# Altium PCB [Ref] TEST002_Bd.PcbDoc (continued)
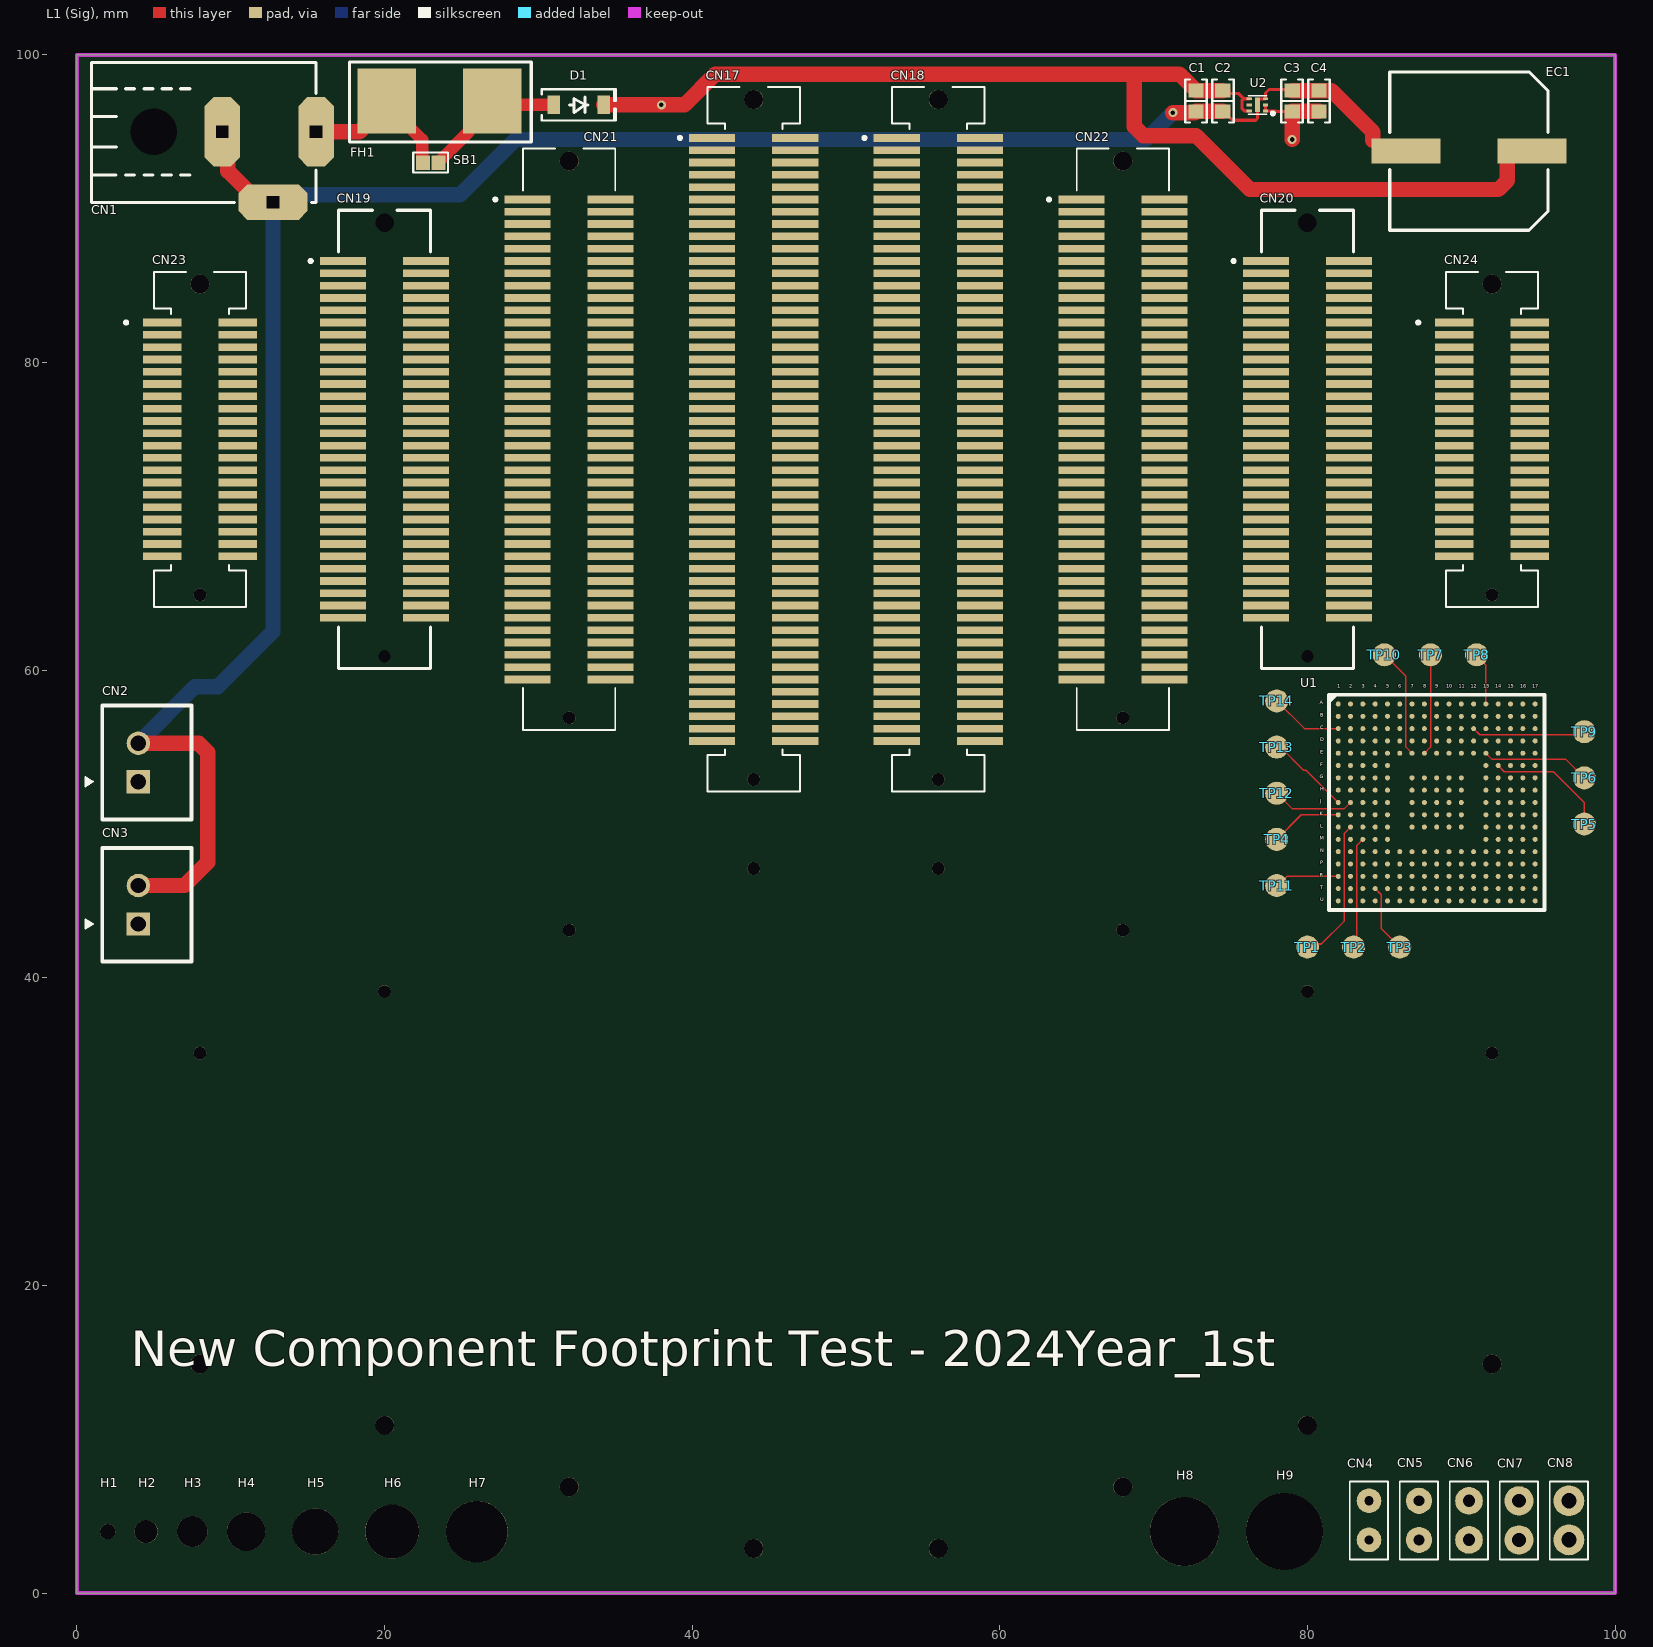
[diagram p0: L1 (Sig) view]
## Footprints (in the part's own frame and the unit in brackets; to place one, negate y for a bottom-side part, rotate by r counter-clockwise, add the part's x,y. Pads: shape width x height; smd on the part's side, far side on the other; paste and mask are expansions set on the pad)
"CAP 1608 (0603_INCH)" [mm] "Chip Capacitor, 2-Leads, Body 1.60x0.80mm, IPC Medium Density"
  rect 0.9x1 smd mask+0.04: 1(-0.675,0) 2(0.675,0)
  silkscreen extent -1.4,-0.7 1.4,0.7, body extent -0.8,-0.41 0.8,0.41, height 0.82
CAP_EC_D10.3MM_H10.5MM [mm]
  rect 4.5x1.6 smd: 1(-4.1,0) 2(4.1,0)
  silkscreen extent -5.15,-5.15 5.15,5.15, body extent -6,-5.15 6,5.15, height 10.5
CON_BergStak-Lite(0.8mm)_PLUG-40P(10144518-041802LF)_HandSolder [mm]
  rect 0.5x3 smd: 1(-7.6,2.7) 2(-7.6,-2.7) 3(-6.8,2.7) 4(-6.8,-2.7) 5(-6,2.7) 6(-6,-2.7) 7(-5.2,2.7) 8(-5.2,-2.7) 9(-4.4,2.7) 10(-4.4,-2.7) 11(-3.6,2.7) 12(-3.6,-2.7) 13(-2.8,2.7) 14(-2.8,-2.7) 15(-2,2.7) 16(-2,-2.7) 17(-1.2,2.7) 18(-1.2,-2.7) 19(-0.4,2.7) 20(-0.4,-2.7) 21(0.4,2.7) 22(0.4,-2.7) 23(1.2,2.7) 24(1.2,-2.7) 25(2,2.7) 26(2,-2.7) 27(2.8,2.7) 28(2.8,-2.7) 29(3.6,2.7) 30(3.6,-2.7) 31(4.4,2.7) 32(4.4,-2.7) 33(5.2,2.7) 34(5.2,-2.7) 35(6,2.7) 36(6,-2.7) 37(6.8,2.7) 38(6.8,-2.7) 39(7.6,2.7) 40(7.6,-2.7)
  round 0.83 hole 0.83 unplated: ""(-10.1,0)
  round 1.23 hole 1.23 unplated: ""(10.1,0)
  silkscreen extent -10.9,-3 10.9,4.9, body extent -10.9,-3 10.9,3, height 4.65
CON_BergStak-Lite(0.8mm)_PLUG-60P(10144518-061802LF)_HandSolder [mm]
  rect 0.5x3 smd: 1(-11.6,2.7) 2(-11.6,-2.7) 3(-10.8,2.7) 4(-10.8,-2.7) 5(-10,2.7) 6(-10,-2.7) 7(-9.2,2.7) 8(-9.2,-2.7) 9(-8.4,2.7) 10(-8.4,-2.7) 11(-7.6,2.7) 12(-7.6,-2.7) 13(-6.8,2.7) 14(-6.8,-2.7) 15(-6,2.7) 16(-6,-2.7) 17(-5.2,2.7) 18(-5.2,-2.7) 19(-4.4,2.7) 20(-4.4,-2.7) 21(-3.6,2.7) 22(-3.6,-2.7) 23(-2.8,2.7) 24(-2.8,-2.7) 25(-2,2.7) 26(-2,-2.7) 27(-1.2,2.7) 28(-1.2,-2.7) 29(-0.4,2.7) 30(-0.4,-2.7) 31(0.4,2.7) 32(0.4,-2.7) 33(1.2,2.7) 34(1.2,-2.7) 35(2,2.7) 36(2,-2.7) 37(2.8,2.7) 38(2.8,-2.7) 39(3.6,2.7) 40(3.6,-2.7) 41(4.4,2.7) 42(4.4,-2.7) 43(5.2,2.7) 44(5.2,-2.7) 45(6,2.7) 46(6,-2.7) 47(6.8,2.7) 48(6.8,-2.7) 49(7.6,2.7) 50(7.6,-2.7) 51(8.4,2.7) 52(8.4,-2.7) 53(9.2,2.7) 54(9.2,-2.7) 55(10,2.7) 56(10,-2.7) 57(10.8,2.7) 58(10.8,-2.7) 59(11.6,2.7) 60(11.6,-2.7)
  round 0.83 hole 0.83 unplated: ""(-14.1,0)
  round 1.23 hole 1.23 unplated: ""(14.1,0)
  silkscreen extent -14.9,-3 14.9,4.9, body extent -14.9,-3 14.9,3, height 4.65
CON_BergStak-Lite(0.8mm)_PLUG-80P(10144518-081802LF)_HandSolder [mm]
  rect 0.5x3 smd: 1(-15.6,2.7) 2(-15.6,-2.7) 3(-14.8,2.7) 4(-14.8,-2.7) 5(-14,2.7) 6(-14,-2.7) 7(-13.2,2.7) 8(-13.2,-2.7) 9(-12.4,2.7) 10(-12.4,-2.7) 11(-11.6,2.7) 12(-11.6,-2.7) 13(-10.8,2.7) 14(-10.8,-2.7) 15(-10,2.7) 16(-10,-2.7) 17(-9.2,2.7) 18(-9.2,-2.7) 19(-8.4,2.7) 20(-8.4,-2.7) 21(-7.6,2.7) 22(-7.6,-2.7) 23(-6.8,2.7) 24(-6.8,-2.7) 25(-6,2.7) 26(-6,-2.7) 27(-5.2,2.7) 28(-5.2,-2.7) 29(-4.4,2.7) 30(-4.4,-2.7) 31(-3.6,2.7) 32(-3.6,-2.7) 33(-2.8,2.7) 34(-2.8,-2.7) 35(-2,2.7) 36(-2,-2.7) 37(-1.2,2.7) 38(-1.2,-2.7) 39(-0.4,2.7) 40(-0.4,-2.7) 41(0.4,2.7) 42(0.4,-2.7) 43(1.2,2.7) 44(1.2,-2.7) 45(2,2.7) 46(2,-2.7) 47(2.8,2.7) 48(2.8,-2.7) 49(3.6,2.7) 50(3.6,-2.7) 51(4.4,2.7) 52(4.4,-2.7) 53(5.2,2.7) 54(5.2,-2.7) 55(6,2.7) 56(6,-2.7) 57(6.8,2.7) 58(6.8,-2.7) 59(7.6,2.7) 60(7.6,-2.7) 61(8.4,2.7) 62(8.4,-2.7) 63(9.2,2.7) 64(9.2,-2.7) 65(10,2.7) 66(10,-2.7) 67(10.8,2.7) 68(10.8,-2.7) 69(11.6,2.7) 70(11.6,-2.7) 71(12.4,2.7) 72(12.4,-2.7) 73(13.2,2.7) 74(13.2,-2.7) 75(14,2.7) 76(14,-2.7) 77(14.8,2.7) 78(14.8,-2.7) 79(15.6,2.7) 80(15.6,-2.7)
  round 0.83 hole 0.83 unplated: ""(-18.1,0)
  round 1.23 hole 1.23 unplated: ""(18.1,0)
  silkscreen extent -18.9,-3 18.9,4.9, body extent -18.9,-3 18.9,3, height 4.65
CON_BergStak-Lite(0.8mm)_PLUG-100P(10144518-101802LF)_HandSolder [mm]
  rect 0.5x3 smd: 1(-19.6,2.7) 2(-19.6,-2.7) 3(-18.8,2.7) 4(-18.8,-2.7) 5(-18,2.7) 6(-18,-2.7) 7(-17.2,2.7) 8(-17.2,-2.7) 9(-16.4,2.7) 10(-16.4,-2.7) 11(-15.6,2.7) 12(-15.6,-2.7) 13(-14.8,2.7) 14(-14.8,-2.7) 15(-14,2.7) 16(-14,-2.7) 17(-13.2,2.7) 18(-13.2,-2.7) 19(-12.4,2.7) 20(-12.4,-2.7) 21(-11.6,2.7) 22(-11.6,-2.7) 23(-10.8,2.7) 24(-10.8,-2.7) 25(-10,2.7) 26(-10,-2.7) 27(-9.2,2.7) 28(-9.2,-2.7) 29(-8.4,2.7) 30(-8.4,-2.7) 31(-7.6,2.7) 32(-7.6,-2.7) 33(-6.8,2.7) 34(-6.8,-2.7) 35(-6,2.7) 36(-6,-2.7) 37(-5.2,2.7) 38(-5.2,-2.7) 39(-4.4,2.7) 40(-4.4,-2.7) 41(-3.6,2.7) 42(-3.6,-2.7) 43(-2.8,2.7) 44(-2.8,-2.7) 45(-2,2.7) 46(-2,-2.7) 47(-1.2,2.7) 48(-1.2,-2.7) 49(-0.4,2.7) 50(-0.4,-2.7) 51(0.4,2.7) 52(0.4,-2.7) 53(1.2,2.7) 54(1.2,-2.7) 55(2,2.7) 56(2,-2.7) 57(2.8,2.7) 58(2.8,-2.7) 59(3.6,2.7) 60(3.6,-2.7) 61(4.4,2.7) 62(4.4,-2.7) 63(5.2,2.7) 64(5.2,-2.7) 65(6,2.7) 66(6,-2.7) 67(6.8,2.7) 68(6.8,-2.7) 69(7.6,2.7) 70(7.6,-2.7) 71(8.4,2.7) 72(8.4,-2.7) 73(9.2,2.7) 74(9.2,-2.7) 75(10,2.7) 76(10,-2.7) 77(10.8,2.7) 78(10.8,-2.7) 79(11.6,2.7) 80(11.6,-2.7) 81(12.4,2.7) 82(12.4,-2.7) 83(13.2,2.7) 84(13.2,-2.7) 85(14,2.7) 86(14,-2.7) 87(14.8,2.7) 88(14.8,-2.7) 89(15.6,2.7) 90(15.6,-2.7) 91(16.4,2.7) 92(16.4,-2.7) 93(17.2,2.7) 94(17.2,-2.7) 95(18,2.7) 96(18,-2.7) 97(18.8,2.7) 98(18.8,-2.7) 99(19.6,2.7) 100(19.6,-2.7)
  round 0.83 hole 0.83 unplated: ""(-22.1,0)
  round 1.23 hole 1.23 unplated: ""(22.1,0)
  silkscreen extent -22.9,-3 22.9,4.9, body extent -22.9,-3 22.9,3, height 4.65
CON_BergStak-Lite(0.8mm)_RCPT-40P(10144517-041802LF)_HandSolder [mm]
  rect 0.5x2.5 smd: 1(7.6,2.45) 2(7.6,-2.45) 3(6.8,2.45) 4(6.8,-2.45) 5(6,2.45) 6(6,-2.45) 7(5.2,2.45) 8(5.2,-2.45) 9(4.4,2.45) 10(4.4,-2.45) 11(3.6,2.45) 12(3.6,-2.45) 13(2.8,2.45) 14(2.8,-2.45) 15(2,2.45) 16(2,-2.45) 17(1.2,2.45) 18(1.2,-2.45) 19(0.4,2.45) 20(0.4,-2.45) 21(-0.4,2.45) 22(-0.4,-2.45) 23(-1.2,2.45) 24(-1.2,-2.45) 25(-2,2.45) 26(-2,-2.45) 27(-2.8,2.45) 28(-2.8,-2.45) 29(-3.6,2.45) 30(-3.6,-2.45) 31(-4.4,2.45) 32(-4.4,-2.45) 33(-5.2,2.45) 34(-5.2,-2.45) 35(-6,2.45) 36(-6,-2.45) 37(-6.8,2.45) 38(-6.8,-2.45) 39(-7.6,2.45) 40(-7.6,-2.45)
  round 0.83 hole 0.83 unplated: ""(-10.1,0)
  round 1.23 hole 1.23 unplated: ""(10.1,0)
  silkscreen extent -10.9,-3 10.9,4.9, body extent -10.9,-3 10.9,3, height 3.65
CON_BergStak-Lite(0.8mm)_RCPT-60P(10144517-061802LF)_HandSolder [mm]
  rect 0.5x3 smd: 1(11.6,2.7) 2(11.6,-2.7) 3(10.8,2.7) 4(10.8,-2.7) 5(10,2.7) 6(10,-2.7) 7(9.2,2.7) 8(9.2,-2.7) 9(8.4,2.7) 10(8.4,-2.7) 11(7.6,2.7) 12(7.6,-2.7) 13(6.8,2.7) 14(6.8,-2.7) 15(6,2.7) 16(6,-2.7) 17(5.2,2.7) 18(5.2,-2.7) 19(4.4,2.7) 20(4.4,-2.7) 21(3.6,2.7) 22(3.6,-2.7) 23(2.8,2.7) 24(2.8,-2.7) 25(2,2.7) 26(2,-2.7) 27(1.2,2.7) 28(1.2,-2.7) 29(0.4,2.7) 30(0.4,-2.7) 31(-0.4,2.7) 32(-0.4,-2.7) 33(-1.2,2.7) 34(-1.2,-2.7) 35(-2,2.7) 36(-2,-2.7) 37(-2.8,2.7) 38(-2.8,-2.7) 39(-3.6,2.7) 40(-3.6,-2.7) 41(-4.4,2.7) 42(-4.4,-2.7) 43(-5.2,2.7) 44(-5.2,-2.7) 45(-6,2.7) 46(-6,-2.7) 47(-6.8,2.7) 48(-6.8,-2.7) 49(-7.6,2.7) 50(-7.6,-2.7) 51(-8.4,2.7) 52(-8.4,-2.7) 53(-9.2,2.7) 54(-9.2,-2.7) 55(-10,2.7) 56(-10,-2.7) 57(-10.8,2.7) 58(-10.8,-2.7) 59(-11.6,2.7) 60(-11.6,-2.7)
  round 0.4 hole 0.8 unplated: ""(-14.1,0)
  round 0.6 hole 1.2 unplated: ""(14.1,0)
  silkscreen extent -14.9,-3 14.9,4.9, body extent -14.9,-3 14.9,3, height 3.65
CON_BergStak-Lite(0.8mm)_RCPT-80P(10144517-081802LF)_HandSolder [mm]
  rect 0.5x3 smd: 1(15.6,2.7) 2(15.6,-2.7) 3(14.8,2.7) 4(14.8,-2.7) 5(14,2.7) 6(14,-2.7) 7(13.2,2.7) 8(13.2,-2.7) 9(12.4,2.7) 10(12.4,-2.7) 11(11.6,2.7) 12(11.6,-2.7) 13(10.8,2.7) 14(10.8,-2.7) 15(10,2.7) 16(10,-2.7) 17(9.2,2.7) 18(9.2,-2.7) 19(8.4,2.7) 20(8.4,-2.7) 21(7.6,2.7) 22(7.6,-2.7) 23(6.8,2.7) 24(6.8,-2.7) 25(6,2.7) 26(6,-2.7) 27(5.2,2.7) 28(5.2,-2.7) 29(4.4,2.7) 30(4.4,-2.7) 31(3.6,2.7) 32(3.6,-2.7) 33(2.8,2.7) 34(2.8,-2.7) 35(2,2.7) 36(2,-2.7) 37(1.2,2.7) 38(1.2,-2.7) 39(0.4,2.7) 40(0.4,-2.7) 41(-0.4,2.7) 42(-0.4,-2.7) 43(-1.2,2.7) 44(-1.2,-2.7) 45(-2,2.7) 46(-2,-2.7) 47(-2.8,2.7) 48(-2.8,-2.7) 49(-3.6,2.7) 50(-3.6,-2.7) 51(-4.4,2.7) 52(-4.4,-2.7) 53(-5.2,2.7) 54(-5.2,-2.7) 55(-6,2.7) 56(-6,-2.7) 57(-6.8,2.7) 58(-6.8,-2.7) 59(-7.6,2.7) 60(-7.6,-2.7) 61(-8.4,2.7) 62(-8.4,-2.7) 63(-9.2,2.7) 64(-9.2,-2.7) 65(-10,2.7) 66(-10,-2.7) 67(-10.8,2.7) 68(-10.8,-2.7) 69(-11.6,2.7) 70(-11.6,-2.7) 71(-12.4,2.7) 72(-12.4,-2.7) 73(-13.2,2.7) 74(-13.2,-2.7) 75(-14,2.7) 76(-14,-2.7) 77(-14.8,2.7) 78(-14.8,-2.7) 79(-15.6,2.7) 80(-15.6,-2.7)
  round 0.83 hole 0.83 unplated: ""(-18.1,0)
  round 1.23 hole 1.23 unplated: ""(18.1,0)
  silkscreen extent -18.9,-3 18.9,4.9, body extent -18.9,-3 18.9,3, height 3.65
CON_BergStak-Lite(0.8mm)_RCPT-100P(10144517-101802LF)_HandSolder [mm]
  rect 0.5x3 smd: 1(19.6,2.7) 2(19.6,-2.7) 3(18.8,2.7) 4(18.8,-2.7) 5(18,2.7) 6(18,-2.7) 7(17.2,2.7) 8(17.2,-2.7) 9(16.4,2.7) 10(16.4,-2.7) 11(15.6,2.7) 12(15.6,-2.7) 13(14.8,2.7) 14(14.8,-2.7) 15(14,2.7) 16(14,-2.7) 17(13.2,2.7) 18(13.2,-2.7) 19(12.4,2.7) 20(12.4,-2.7) 21(11.6,2.7) 22(11.6,-2.7) 23(10.8,2.7) 24(10.8,-2.7) 25(10,2.7) 26(10,-2.7) 27(9.2,2.7) 28(9.2,-2.7) 29(8.4,2.7) 30(8.4,-2.7) 31(7.6,2.7) 32(7.6,-2.7) 33(6.8,2.7) 34(6.8,-2.7) 35(6,2.7) 36(6,-2.7) 37(5.2,2.7) 38(5.2,-2.7) 39(4.4,2.7) 40(4.4,-2.7) 41(3.6,2.7) 42(3.6,-2.7) 43(2.8,2.7) 44(2.8,-2.7) 45(2,2.7) 46(2,-2.7) 47(1.2,2.7) 48(1.2,-2.7) 49(0.4,2.7) 50(0.4,-2.7) 51(-0.4,2.7) 52(-0.4,-2.7) 53(-1.2,2.7) 54(-1.2,-2.7) 55(-2,2.7) 56(-2,-2.7) 57(-2.8,2.7) 58(-2.8,-2.7) 59(-3.6,2.7) 60(-3.6,-2.7) 61(-4.4,2.7) 62(-4.4,-2.7) 63(-5.2,2.7) 64(-5.2,-2.7) 65(-6,2.7) 66(-6,-2.7) 67(-6.8,2.7) 68(-6.8,-2.7) 69(-7.6,2.7) 70(-7.6,-2.7) 71(-8.4,2.7) 72(-8.4,-2.7) 73(-9.2,2.7) 74(-9.2,-2.7) 75(-10,2.7) 76(-10,-2.7) 77(-10.8,2.7) 78(-10.8,-2.7) 79(-11.6,2.7) 80(-11.6,-2.7) 81(-12.4,2.7) 82(-12.4,-2.7) 83(-13.2,2.7) 84(-13.2,-2.7) 85(-14,2.7) 86(-14,-2.7) 87(-14.8,2.7) 88(-14.8,-2.7) 89(-15.6,2.7) 90(-15.6,-2.7) 91(-16.4,2.7) 92(-16.4,-2.7) 93(-17.2,2.7) 94(-17.2,-2.7) 95(-18,2.7) 96(-18,-2.7) 97(-18.8,2.7) 98(-18.8,-2.7) 99(-19.6,2.7) 100(-19.6,-2.7)
  round 0.83 hole 0.83 unplated: ""(-22.1,0)
  round 1.23 hole 1.23 unplated: ""(22.1,0)
  silkscreen extent -22.9,-3 22.9,4.9, body extent -22.9,-3 22.9,3, height 3.65
CON_SMW250-02 [mm] "YEONHO 2.5mm Pitch Vertical Connector 2Pin"
  rect 1.524x1.524 hole 1: 1(1.25,0)
  round 1.524 hole 1: 2(-1.25,0)
  silkscreen extent -3.7,-3.45 3.7,3.45, body extent -3.7,-2.85 3.7,3.45, height 7
DIO_SOD-123 [mm]
  rect 0.8x1.2 smd mask+0.038: 1(-1.62,0) 2(1.62,0)
  silkscreen extent -2.41,-1.02 2.41,1.02, body extent -1.75,-0.8 1.75,0.8, height 1.1
DUT_CON_DC-JACK [mm]
  round 0 hole 3: 0(4.6,10.55)
  oct 4.5x2.3 hole 0.8 square: 1(4.6,0) 3(4.6,6.1)
  oct 2.3x4.5 hole 0.8 square: 2(0.025,2.8)
  silkscreen extent 0,0 9.1,14.6, body extent -0.25,-0.6 9.15,14.6, height 11.02
DUT_CON_PIN_HEADER-2PIN(2.54MM)_0.6PI [mm] "Pin Header 2P 2.54mm"
  round 1.6 hole 0.6: 1(0,0) 2(2.54,0)
  silkscreen extent -1.27,-1.25 3.81,1.25, body extent -1.27,-1.27 3.81,1.27, height 8.57
DUT_CON_PIN_HEADER-2PIN(2.54MM)_0.7PI [mm] "Pin Header 2P 2.54mm"
  round 1.7 hole 0.7: 1(0,0) 2(2.54,0)
  silkscreen extent -1.27,-1.25 3.81,1.25, body extent -1.27,-1.27 3.81,1.27, height 8.57
DUT_CON_PIN_HEADER-2PIN(2.54MM)_0.8PI [mm] "Pin Header 2P 2.54mm"
  round 1.8 hole 0.8: 1(0,0) 2(2.54,0)
  silkscreen extent -1.27,-1.25 3.81,1.25, body extent -1.27,-1.27 3.81,1.27, height 8.57
DUT_CON_PIN_HEADER-2PIN(2.54MM)_0.9PI [mm] "Pin Header 2P 2.54mm"
  round 1.9 hole 0.9: 1(0,0) 2(2.54,0)
  silkscreen extent -1.27,-1.25 3.81,1.25, body extent -1.27,-1.27 3.81,1.27, height 8.57
DUT_CON_PIN_HEADER-2PIN(2.54MM)_1.0PI [mm] "Pin Header 2P 2.54mm"
  round 2 hole 1: 1(0,0) 2(2.54,0)
  silkscreen extent -1.27,-1.25 3.81,1.25, body extent -1.27,-1.27 3.81,1.27, height 8.57
DUT_HOLE_NTH-1.0MM [mm]
  round 1 hole 1: 1(0,0)
DUT_HOLE_NTH-1.5MM [mm]
  round 1.5 hole 1.5: 1(0,0)
DUT_HOLE_NTH-2.0MM [mm]
  round 2 hole 2: 1(0,0)
DUT_HOLE_NTH-2.5MM [mm]
  round 2.5 hole 2.5: 1(0,0)
DUT_HOLE_NTH-3.0MM [mm]
  round 3 hole 3: 1(0,0)
DUT_HOLE_NTH-3.5MM [mm]
  round 3.5 hole 3.5: 1(0,0)
DUT_HOLE_NTH-4.0MM [mm]
  round 4 hole 4: 1(0,0)
DUT_HOLE_NTH-4.5MM [mm]
  round 4.5 hole 4.5: 1(0,0)
DUT_HOLE_NTH-5.0MM [mm]
  round 5 hole 5: 1(0,0)
DUT_SB_Solder-Bridge [mm] "SB (Solder-Bridge)"
  rect 0.9x0.95 smd mask+0.038: 1(-0.5,0) 2(0.5,0)
  silkscreen extent -1.12,-0.65 1.12,0.65
"FUSE 01550900M_SMD" [mm] "Fuse Holder"
  rect 3.81x4.24 smd: 1(0,0) 2(6.858,0)
  silkscreen extent -2.41,-2.67 9.4,2.54, body extent -1.42,-2.54 8.28,2.46, height 3.74
"IC TFBGA-265" [mm] "TFBGA-265_14x14mm"
  round 0.325 smd mask+0.1: A1(-6.4,6.4) A2(-5.6,6.4) A3(-4.8,6.4) A4(-4,6.4) A5(-3.2,6.4) A6(-2.4,6.4) A7(-1.6,6.4) A8(-0.8,6.4) A9(0,6.4) A10(0.8,6.4) A11(1.6,6.4) A12(2.4,6.4) A13(3.2,6.4) A14(4,6.4) A15(4.8,6.4) A16(5.6,6.4) A17(6.4,6.4) B1(-6.4,5.6) B2(-5.6,5.6) B3(-4.8,5.6) B4(-4,5.6) B5(-3.2,5.6) B6(-2.4,5.6) B7(-1.6,5.6) B8(-0.8,5.6) B9(0,5.6) B10(0.8,5.6) B11(1.6,5.6) B12(2.4,5.6) B13(3.2,5.6) B14(4,5.6) B15(4.8,5.6) B16(5.6,5.6) B17(6.4,5.6) C1(-6.4,4.8) C2(-5.6,4.8) C3(-4.8,4.8) C4(-4,4.8) C5(-3.2,4.8) C6(-2.4,4.8) C7(-1.6,4.8) C8(-0.8,4.8) C9(0,4.8) C10(0.8,4.8) C11(1.6,4.8) C12(2.4,4.8) C13(3.2,4.8) C14(4,4.8) C15(4.8,4.8) C16(5.6,4.8) C17(6.4,4.8) D1(-6.4,4) D2(-5.6,4) D3(-4.8,4) D4(-4,4) D5(-3.2,4) D6(-2.4,4) D7(-1.6,4) D8(-0.8,4) D9(0,4) D10(0.8,4) D11(1.6,4) D12(2.4,4) D13(3.2,4) D14(4,4) D15(4.8,4) D16(5.6,4) D17(6.4,4) E1(-6.4,3.2) E2(-5.6,3.2) E3(-4.8,3.2) E4(-4,3.2) E5(-3.2,3.2) E6(-2.4,3.2) E7(-1.6,3.2) E8(-0.8,3.2) E9(0,3.2) E10(0.8,3.2) E11(1.6,3.2) E12(2.4,3.2) E13(3.2,3.2) E14(4,3.2) E15(4.8,3.2) E16(5.6,3.2) E17(6.4,3.2) F1(-6.4,2.4) F2(-5.6,2.4) F3(-4.8,2.4) F4(-4,2.4) F5(-3.2,2.4) F13(3.2,2.4) F14(4,2.4) F15(4.8,2.4) F16(5.6,2.4) F17(6.4,2.4) G1(-6.4,1.6) G2(-5.6,1.6) G3(-4.8,1.6) G4(-4,1.6) G5(-3.2,1.6) G7(-1.6,1.6) G8(-0.8,1.6) G9(0,1.6) G10(0.8,1.6) G11(1.6,1.6) G13(3.2,1.6) G14(4,1.6) G15(4.8,1.6) G16(5.6,1.6) G17(6.4,1.6) H1(-6.4,0.8) H2(-5.6,0.8) H3(-4.8,0.8) H4(-4,0.8) H5(-3.2,0.8) H7(-1.6,0.8) H8(-0.8,0.8) H9(0,0.8) H10(0.8,0.8) H11(1.6,0.8) H13(3.2,0.8) H14(4,0.8) H15(4.8,0.8) H16(5.6,0.8) H17(6.4,0.8) J1(-6.4,0) J2(-5.6,0) J3(-4.8,0) J4(-4,0) J5(-3.2,0) J7(-1.6,0) J8(-0.8,0) J9(0,0) J10(0.8,0) J11(1.6,0) J13(3.2,0) J14(4,0) J15(4.8,0) J16(5.6,0) J17(6.4,0) K1(-6.4,-0.8) K2(-5.6,-0.8) K3(-4.8,-0.8) K4(-4,-0.8) K5(-3.2,-0.8) K7(-1.6,-0.8) K8(-0.8,-0.8) K9(0,-0.8) K10(0.8,-0.8) K11(1.6,-0.8) K13(3.2,-0.8) K14(4,-0.8) K15(4.8,-0.8) K16(5.6,-0.8) K17(6.4,-0.8) L1(-6.4,-1.6) L2(-5.6,-1.6) L3(-4.8,-1.6) L4(-4,-1.6) L5(-3.2,-1.6) L7(-1.6,-1.6) L8(-0.8,-1.6) L9(0,-1.6) L10(0.8,-1.6) L11(1.6,-1.6) L13(3.2,-1.6) L14(4,-1.6) L15(4.8,-1.6) L16(5.6,-1.6) L17(6.4,-1.6) M1(-6.4,-2.4) M2(-5.6,-2.4) M3(-4.8,-2.4) M4(-4,-2.4) M5(-3.2,-2.4) M13(3.2,-2.4) M14(4,-2.4) M15(4.8,-2.4) M16(5.6,-2.4) M17(6.4,-2.4) N1(-6.4,-3.2) N2(-5.6,-3.2) N3(-4.8,-3.2) N4(-4,-3.2) N5(-3.2,-3.2) N6(-2.4,-3.2) N7(-1.6,-3.2) N8(-0.8,-3.2) N9(0,-3.2) N10(0.8,-3.2) N11(1.6,-3.2) N12(2.4,-3.2) N13(3.2,-3.2) N14(4,-3.2) N15(4.8,-3.2) N16(5.6,-3.2) N17(6.4,-3.2) P1(-6.4,-4) P2(-5.6,-4) P3(-4.8,-4) P4(-4,-4) P5(-3.2,-4) P6(-2.4,-4) P7(-1.6,-4) P8(-0.8,-4) P9(0,-4) P10(0.8,-4) P11(1.6,-4) P12(2.4,-4) P13(3.2,-4) P14(4,-4) P15(4.8,-4) P16(5.6,-4) P17(6.4,-4) R1(-6.4,-4.8) R2(-5.6,-4.8) R3(-4.8,-4.8) R4(-4,-4.8) R5(-3.2,-4.8) R6(-2.4,-4.8) R7(-1.6,-4.8) R8(-0.8,-4.8) R9(0,-4.8) R10(0.8,-4.8) R11(1.6,-4.8) R12(2.4,-4.8) R13(3.2,-4.8) R14(4,-4.8) R15(4.8,-4.8) R16(5.6,-4.8) R17(6.4,-4.8) T1(-6.4,-5.6) T2(-5.6,-5.6) T3(-4.8,-5.6) T4(-4,-5.6) T5(-3.2,-5.6) T6(-2.4,-5.6) T7(-1.6,-5.6) T8(-0.8,-5.6) T9(0,-5.6) T10(0.8,-5.6) T11(1.6,-5.6) T12(2.4,-5.6) T13(3.2,-5.6) T14(4,-5.6) T15(4.8,-5.6) T16(5.6,-5.6) T17(6.4,-5.6) U1(-6.4,-6.4) U2(-5.6,-6.4) U3(-4.8,-6.4) U4(-4,-6.4) U5(-3.2,-6.4) U6(-2.4,-6.4) U7(-1.6,-6.4) U8(-0.8,-6.4) U9(0,-6.4) U10(0.8,-6.4) U11(1.6,-6.4) U12(2.4,-6.4) U13(3.2,-6.4) U14(4,-6.4) U15(4.8,-6.4) U16(5.6,-6.4) U17(6.4,-6.4)
  silkscreen extent -7,-7 7,7, body extent -7,-7 7,7, height 1.1
IC_TDFN-6 [mm]
  rect 0.35x0.18 smd paste+0 mask+0.038: 1(-0.525,0.4) 2(-0.525,0) 3(-0.525,-0.4) 4(0.525,-0.4) 5(0.525,0) 6(0.525,0.4)
  rect 0.3x0.94 smd paste+0 mask+0.038: 7(0,0)
  silkscreen extent -1.05,-0.6 0.6,0.6, body extent -0.6,-0.6 0.6,0.6, height 0.57
"TP Circle" [mm] "Test Point Circle"
  round 1.5 smd: 1(0,0)

## Part data
C1 C4: library part CAP_10uF/10V/1608, "Ceramic CAP_10uF/10V/1608", JLCPCB Part Type="Basic Part", LCSC Part #=C19702
C2 C3: library part CAP_100nF/50V/1608, "Ceramic CAP_100nF/50V/1608", JLCPCB Part Type="Basic Part", LCSC Part #=C14663
CN1: library part DUT_CON_DC-Jack, "DC Power Jack", ComponentLink1Description="Manufacturer Link", ComponentLink1URL=http://www.cliffuk.co.uk/
CN2 CN3: library part CON_SMW250-02, "YEONHO 2.5mm Pitch Vertical Connector 2Pin"
CN4: library part DUT_PIN-HEADER_2.54MM_2P(0.6PI)
CN5: library part DUT_PIN-HEADER_2.54MM_2P(0.7PI)
CN6: library part DUT_PIN-HEADER_2.54MM_2P(0.8PI)
CN7: library part DUT_PIN-HEADER_2.54MM_2P(0.9PI)
CN8: library part DUT_PIN-HEADER_2.54MM_2P(1.0PI)
CN9 CN10: library part CON_BergStak-Lite(0.8mm)_PLUG-100P(10144518-101802LF), JLCPCB Part Type="Extended Part", LCSC Part #=C3640067
CN11 CN12: library part CON_BergStak-Lite(0.8mm)_PLUG-60P(10144518-061802LF), JLCPCB Part Type="Extended Part", LCSC Part #=C9900003007
CN13 CN14: library part CON_BergStak-Lite(0.8mm)_PLUG-40P(10144518-041802LF), JLCPCB Part Type="Extended Part", LCSC Part #=C5410298
CN15 CN16: library part CON_BergStak-Lite(0.8mm)_PLUG-80P(10144518-081802LF), JLCPCB Part Type="Extended Part", LCSC Part #=C2889278
CN17 CN18: library part CON_BergStak-Lite(0.8mm)_RCPT-100P(10144517-101802LF), JLCPCB Part Type="Extended Part", LCSC Part #=C3648562
CN19 CN20: library part CON_BergStak-Lite(0.8mm)_RCPT-60P(10144517-061802LF), JLCPCB Part Type="Extended Part", LCSC Part #=C2926919
CN21 CN22: library part CON_BergStak-Lite(0.8mm)_RCPT-80P(10144517-081802LF), JLCPCB Part Type="Extended Part", LCSC Part #=None
CN23 CN24: library part CON_BergStak-Lite(0.8mm)_RCPT-40P(10144517-041802LF), JLCPCB Part Type="Extended Part", LCSC Part #=C3645392
D1: library part DIO_B5819W, "40V 600mV@1A 1A SOD-123  Schottky Barrier Diodes (SBD) ROHS", JLCPCB Part Type="Basic Part", LCSC Part #=C8598
EC1: library part "CAP_EC 330uF/35V/10Øx10", "Electrolytic CAP_330uF/35V/10Øx10", JLCPCB Part Type="Extended Part", LCSC Part #=C311621
FH1: library part FUSE_01550900M-SMD, "Fuse Block 10A 125V 1 Circuit Cartridge Surface Mount", JLCPCB Part Type="Extended Part", LCSC Part #=C108518
H1: library part DUT_HOLE_NTH-1.0MM, "Non-Through Hole 1mm"
H2: library part DUT_HOLE_NTH-1.5MM, "Non-Through Hole 1.5mm"
H3: library part DUT_HOLE_NTH-2.0MM, "Non-Through Hole 2mm"
H4: library part DUT_HOLE_NTH-2.5MM, "Non-Through Hole 2.5mm"
H5: library part DUT_HOLE_NTH-3.0MM, "Non-Through Hole 3mm"
H6: library part DUT_HOLE_NTH-3.5MM, "Non-Through Hole 3.5mm"
H7: library part DUT_HOLE_NTH-4.0MM, "Non-Through Hole 4mm"
H8: library part DUT_HOLE_NTH-4.5MM, "Non-Through Hole 4.5mm"
H9: library part DUT_HOLE_NTH-5.0MM, "Non-Through Hole 5mm"
SB1: library part DUT_SB_Solder-Bridge, "SB_Solder-Bridge"
U1: library part IC_MCU_STM32H743XIH6, "ARM® Cortex®-M7 STM32H7 MCU IC 32bit Single-core 480MHz 2MB(2M x 8) Flash 240+25-TFBGA(14x14)", JLCPCB Part Type="Extended Part", LCSC Part #=C114407
U2: library part IC_REG_MIC5528-3.3YMT-TR, "Linear Voltage Regulator IC Positive Fixed 1 Output 500mA 6-TDFN (1.2x1.2)", JLCPCB Part Type="Extended Part", LCSC Part #=C622490

## Via types
v1: diameter 0.6, hole 0.3, L1 (Sig) to L4 (Sig), tented both sides, 3 vias

## Nets (pads, with @x,y where several pads share a name; then routed paths per layer and width w, separated by ;. In a path a pad name is that pad's centre, name@x,y a point inside that pad or via, vN(x,y) a via of type N, cw(c..) or ccw(c..) an arc to the next point about the centre after c; other vN are vias at no path point)
DGND: C1.1 C2.1 C3.1 C4.1 CN1.2 CN1.3 CN2.2 CN3.2 EC1.2 U2.3 U2.7 | length 143.2
  L1 (Sig) w0.2: C1.1@72.675,96.25 C1.1 ; C2.1 74.55,96.325 75.125,95.75 76.633,95.75 76.75,95.867 U2.7 76.75,97.07 76.8,97.12 77.18,97.12 77.21,97.15 U2.3 77.275,97.525 77.5,97.75 78.925,97.75 C3.1 ; EC1.2@84.25,94.45 84.95,93.75 EC1.2
  L1 (Sig) w1: CN3.2 7,46 8.5,47.5 8.5,54.664 7.914,55.25 CN2.2 ; CN1.3 9.818,94.632 9.818,92.44 11.832,90.425 CN1.2 ; v1(71.25,96.25) C1.1@72.675,96.25 ; C1.1 C2.1 ; C3.1 C4.1 81.55,97.675 84.25,94.975 EC1.2@84.25,94.45
  L4 (Sig) w1: CN2.2 7.675,58.925 9.175,58.925 12.75,62.5 CN1.2 13.225,90.9 24.9,90.9 28.5,94.5 69.5,94.5 v1(71.25,96.25)
DP3.3VS: C3.2 C4.2 CN3.1 U2.1 U2.2 | length 126.5
  L1 (Sig) w0.2: U2.2 U2.1 77.957,96.35 77.983,96.325 C3.2
  L1 (Sig) w1: v1(79,94.5) C3.2 C4.2
  L3 (PWR) w1: CN3.1 17.631,43.5 24.131,50 72.574,50 73.5,50.926 73.5,93 75,94.5 v1(79,94.5)
DP5VS: C1.2 C2.2 CN2.1 D1.2 EC1.1 U2.4 U2.6 | length 153.9
  L1 (Sig) w0.2: C2.2 74.675,97.5 75.5,97.5 75.85,97.15 ; U2.6 76.215,96.36 75.89,96.36 75.75,96.5 75.75,97.05 75.85,97.15 ; U2.4 75.85,97.15
  L1 (Sig) w1: D1.2 v1(38,96.75) 39.5,96.75 41.5,98.75 68.75,98.75 ; C2.2 C1.2 71.675,98.75 68.75,98.75 ; EC1.1 93.3,93.75 93,93.45 93,91.836 92.414,91.25 76.25,91.25 72.75,94.75 69.336,94.75 68.75,95.336 68.75,98.75
  L3 (PWR) w1: CN2.1 35,52.75 38,55.75 v1(38,96.75)
NetCN1_1: CN1.1 FH1.1 SB1.1 | length 10.3
  L1 (Sig) w0.8: FH1.1 20.142,96.785 22.45,94.477 22.45,93.05 SB1.1
  L1 (Sig) w1: CN1.1 18.357,95 FH1.1@20.142,96.785
NetD1_1: D1.1 FH1.2 SB1.2 | length 9.2
  L1 (Sig) w0.8: SB1.2 23.5,93.025 25.495,95.02 25.495,95.28 26.965,96.75 D1.1
NetTP1_1: TP1.1 U1.L2 | length 9.4
  L1 (Sig) w0.1: TP1.1 80.2,42.2 80.9,42.2 82.4,43.7 82.4,49.4 U1.L2
NetTP2_1: TP2.1 U1.M3 | length 7.2
  L1 (Sig) w0.1: TP2.1 83.2,42.2 83.2,48.6 U1.M3
NetTP3_1: TP3.1 U1.T4 | length 4.5
  L1 (Sig) w0.1: U1.T4 84.8,45.4 84.8,43.2 TP3.1
NetTP4_1: TP4.1 U1.K1 | length 4.7
  L1 (Sig) w0.1: TP4.1 79.6,50.6 U1.K1
NetTP5_1: TP5.1 U1.F14 | length 8
  L1 (Sig) w0.1: U1.F14 92.8,53.4 96,53.4 98,51.4 TP5.1
NetTP6_1: TP6.1 U1.E13 | length 7.1
  L1 (Sig) w0.1: U1.E13 92,54.2 96.8,54.2 TP6.1
NetTP7_1: TP7.1 U1.E8 | length 6.6
  L1 (Sig) w0.1: U1.E8 88,55 TP7.1
NetTP8_1: TP8.1 U1.A13 | length 3.4
  L1 (Sig) w0.1: TP8.1 91,60.927 91.6,60.327 U1.A13
NetTP9_1: TP9.1 U1.C12 | length 7.4
  L1 (Sig) w0.1: U1.C12 91.2,55.8 97.8,55.8 TP9.1
NetTP10_1: TP10.1 U1.E7 | length 7.1
  L1 (Sig) w0.1: TP10.1 86.4,59.6 86.4,55 U1.E7
NetTP11_1: TP11.1 U1.R1 | length 4.2
  L1 (Sig) w0.1: TP11.1 78.073,46 78.673,46.6 U1.R1
NetTP12_1: TP12.1 U1.J2 | length 5.4
  L1 (Sig) w0.1: TP12.1 79,51 82.4,51 U1.J2
NetTP13_1: TP13.1 U1.J1 | length 5.5
  L1 (Sig) w0.1: TP13.1 78.25,55 79.75,53.5 79.9,53.5 U1.J1
NetTP14_1: TP14.1 U1.C1 | length 4.7
  L1 (Sig) w0.1: TP14.1 79.8,56.2 U1.C1
pads on no net: CN1.0 CN4.1 CN4.2 CN5.1 CN5.2 CN6.1 CN6.2 CN7.1 CN7.2 CN8.1 CN8.2 CN9. CN9.1 CN9.2 CN9.3 CN9.4 CN9.5 CN9.6 CN9.7 CN9.8 CN9.9 CN9.10 CN9.11 CN9.12 CN9.13 CN9.14 CN9.15 CN9.16 CN9.17 CN9.18 CN9.19 CN9.20 CN9.21 CN9.22 CN9.23 CN9.24 CN9.25 CN9.26 CN9.27 CN9.28 CN9.29 CN9.30 CN9.31 CN9.32 CN9.33 CN9.34 CN9.35 CN9.36 CN9.37 CN9.38 CN9.39 CN9.40 CN9.41 CN9.42 CN9.43 CN9.44 CN9.45 CN9.46 CN9.47 CN9.48 CN9.49 CN9.50 CN9.51 CN9.52 CN9.53 CN9.54 CN9.55 CN9.56 CN9.57 CN9.58 CN9.59 CN9.60 CN9.61 CN9.62 CN9.63 CN9.64 CN9.65 CN9.66 CN9.67 CN9.68 CN9.69 CN9.70 CN9.71 CN9.72 CN9.73 CN9.74 CN9.75 CN9.76 CN9.77 CN9.78 CN9.79 CN9.80 CN9.81 CN9.82 CN9.83 CN9.84 CN9.85 CN9.86 CN9.87 CN9.88 CN9.89 CN9.90 CN9.91 CN9.92 CN9.93 CN9.94 CN9.95 CN9.96 CN9.97 CN9.98 CN9.99 CN9.100 CN10. CN10.1 CN10.2 CN10.3 CN10.4 CN10.5 CN10.6 CN10.7 CN10.8 CN10.9 CN10.10 CN10.11 CN10.12 CN10.13 CN10.14 CN10.15 CN10.16 CN10.17 CN10.18 CN10.19 CN10.20 CN10.21 CN10.22 CN10.23 CN10.24 CN10.25 CN10.26 CN10.27 CN10.28 CN10.29 CN10.30 CN10.31 CN10.32 CN10.33 CN10.34 CN10.35 CN10.36 CN10.37 CN10.38 CN10.39 CN10.40 CN10.41 CN10.42 CN10.43 CN10.44 CN10.45 CN10.46 CN10.47 CN10.48 CN10.49 CN10.50 CN10.51 CN10.52 CN10.53 CN10.54 CN10.55 CN10.56 CN10.57 CN10.58 CN10.59 CN10.60 CN10.61 CN10.62 CN10.63 CN10.64 CN10.65 CN10.66 CN10.67 CN10.68 CN10.69 CN10.70 CN10.71 CN10.72 CN10.73 CN10.74 CN10.75 CN10.76 CN10.77 CN10.78 CN10.79 CN10.80 CN10.81 CN10.82 CN10.83 CN10.84 CN10.85 CN10.86 CN10.87 CN10.88 CN10.89 CN10.90 CN10.91 CN10.92 CN10.93 CN10.94 CN10.95 CN10.96 CN10.97 CN10.98 CN10.99 CN10.100 CN11. CN11.1 CN11.2 CN11.3 CN11.4 CN11.5 CN11.6 CN11.7 CN11.8 CN11.9 CN11.10 CN11.11 CN11.12 CN11.13 CN11.14 CN11.15 CN11.16 CN11.17 CN11.18 CN11.19 CN11.20 CN11.21 CN11.22 CN11.23 CN11.24 CN11.25 CN11.26 CN11.27 CN11.28 CN11.29 CN11.30 CN11.31 CN11.32 CN11.33 CN11.34 CN11.35 CN11.36 CN11.37 CN11.38 CN11.39 CN11.40 CN11.41 CN11.42 CN11.43 CN11.44 CN11.45 CN11.46 CN11.47 CN11.48 CN11.49 CN11.50 CN11.51 CN11.52 CN11.53 CN11.54 CN11.55 CN11.56 CN11.57 CN11.58 CN11.59 CN11.60 CN12. CN12.1 CN12.2 CN12.3 CN12.4 CN12.5 CN12.6 CN12.7 CN12.8 CN12.9 CN12.10 CN12.11 CN12.12 CN12.13 CN12.14 CN12.15 CN12.16 CN12.17 CN12.18 CN12.19 CN12.20 CN12.21 CN12.22 CN12.23 CN12.24 CN12.25 CN12.26 CN12.27 CN12.28 CN12.29 CN12.30 CN12.31 CN12.32 CN12.33 CN12.34 CN12.35 CN12.36 CN12.37 CN12.38 CN12.39 CN12.40 CN12.41 CN12.42 CN12.43 CN12.44 CN12.45 CN12.46 CN12.47 CN12.48 CN12.49 CN12.50 CN12.51 CN12.52 CN12.53 CN12.54 CN12.55 CN12.56 CN12.57 CN12.58 CN12.59 CN12.60 CN13. CN13.1 CN13.2 CN13.3 CN13.4 CN13.5 CN13.6 CN13.7 CN13.8 CN13.9 CN13.10 CN13.11 CN13.12 CN13.13 CN13.14 CN13.15 CN13.16 CN13.17 CN13.18 CN13.19 CN13.20 CN13.21 CN13.22 CN13.23 CN13.24 CN13.25 CN13.26 CN13.27 CN13.28 CN13.29 CN13.30 CN13.31 CN13.32 CN13.33 CN13.34 CN13.35 CN13.36 CN13.37 CN13.38 CN13.39 CN13.40 CN14. CN14.1 CN14.2 CN14.3 CN14.4 CN14.5 CN14.6 CN14.7 CN14.8 CN14.9 CN14.10 CN14.11 CN14.12 CN14.13 CN14.14 CN14.15 CN14.16 CN14.17 CN14.18 CN14.19 CN14.20 CN14.21 CN14.22 CN14.23 CN14.24 CN14.25 CN14.26 CN14.27 CN14.28 CN14.29 CN14.30 CN14.31 CN14.32 CN14.33 CN14.34 CN14.35 CN14.36 CN14.37 CN14.38 CN14.39 CN14.40 CN15. CN15.1 CN15.2 CN15.3 CN15.4 CN15.5 CN15.6 CN15.7 CN15.8 CN15.9 CN15.10 CN15.11 CN15.12 CN15.13 CN15.14 CN15.15 CN15.16 CN15.17 CN15.18 CN15.19 CN15.20 CN15.21 CN15.22 CN15.23 CN15.24 CN15.25 CN15.26 CN15.27 CN15.28 CN15.29 CN15.30 CN15.31 CN15.32 CN15.33 CN15.34 CN15.35 CN15.36 CN15.37 CN15.38 CN15.39 CN15.40 CN15.41 CN15.42 CN15.43 CN15.44 CN15.45 CN15.46 CN15.47 CN15.48 CN15.49 CN15.50 CN15.51 CN15.52 CN15.53 CN15.54 CN15.55 CN15.56 CN15.57 CN15.58 CN15.59 CN15.60 CN15.61 CN15.62 CN15.63 CN15.64 CN15.65 CN15.66 CN15.67 CN15.68 CN15.69 CN15.70 CN15.71 CN15.72 CN15.73 CN15.74 CN15.75 CN15.76 CN15.77 CN15.78 CN15.79 CN15.80 CN16. CN16.1 CN16.2 CN16.3 CN16.4 CN16.5 CN16.6 CN16.7 CN16.8 CN16.9 CN16.10 CN16.11 CN16.12 CN16.13 CN16.14 CN16.15 CN16.16 CN16.17 CN16.18 CN16.19 CN16.20 CN16.21 CN16.22 CN16.23 CN16.24 CN16.25 CN16.26 CN16.27 CN16.28 CN16.29 CN16.30 CN16.31 CN16.32 CN16.33 CN16.34 CN16.35 CN16.36 CN16.37 CN16.38 CN16.39 CN16.40 CN16.41 CN16.42 CN16.43 CN16.44 CN16.45 CN16.46 CN16.47 CN16.48 CN16.49 CN16.50 CN16.51 CN16.52 CN16.53 CN16.54 CN16.55 CN16.56 CN16.57 CN16.58 CN16.59 CN16.60 CN16.61 CN16.62 CN16.63 CN16.64 CN16.65 CN16.66 CN16.67 CN16.68 CN16.69 CN16.70 CN16.71 CN16.72 CN16.73 CN16.74 CN16.75 CN16.76 CN16.77 CN16.78 CN16.79 CN16.80 CN17. CN17.1 CN17.2 CN17.3 CN17.4 CN17.5 CN17.6 CN17.7 CN17.8 CN17.9 CN17.10 CN17.11 CN17.12 CN17.13 CN17.14 CN17.15 CN17.16 CN17.17 CN17.18 CN17.19 CN17.20 CN17.21 CN17.22 CN17.23 CN17.24 CN17.25 CN17.26 CN17.27 CN17.28 CN17.29 CN17.30 CN17.31 CN17.32 CN17.33 CN17.34 CN17.35 CN17.36 CN17.37 CN17.38 CN17.39 CN17.40 CN17.41 CN17.42 CN17.43 CN17.44 CN17.45 CN17.46 CN17.47 CN17.48 CN17.49 CN17.50 CN17.51 CN17.52 CN17.53 CN17.54 CN17.55 CN17.56 CN17.57 CN17.58 CN17.59 CN17.60 CN17.61 CN17.62 CN17.63 CN17.64 CN17.65 CN17.66 CN17.67 CN17.68 CN17.69 CN17.70 CN17.71 CN17.72 CN17.73 CN17.74 CN17.75 CN17.76 CN17.77 CN17.78 CN17.79 CN17.80 CN17.81 CN17.82 CN17.83 CN17.84 CN17.85 CN17.86 CN17.87 CN17.88 CN17.89 CN17.90 CN17.91 CN17.92 CN17.93 CN17.94 CN17.95 CN17.96 CN17.97 CN17.98 CN17.99 CN17.100 CN18. CN18.1 CN18.2 CN18.3 CN18.4 CN18.5 CN18.6 CN18.7 CN18.8 CN18.9 CN18.10 CN18.11 CN18.12 CN18.13 CN18.14 CN18.15 CN18.16 CN18.17 CN18.18 CN18.19 CN18.20 CN18.21 CN18.22 CN18.23 CN18.24 CN18.25 CN18.26 CN18.27 CN18.28 CN18.29 CN18.30 CN18.31 CN18.32 CN18.33 CN18.34 CN18.35 CN18.36 CN18.37 CN18.38 CN18.39 CN18.40 CN18.41 CN18.42 CN18.43 CN18.44 CN18.45 CN18.46 CN18.47 CN18.48 CN18.49 CN18.50 CN18.51 CN18.52 CN18.53 CN18.54 CN18.55 CN18.56 CN18.57 CN18.58 CN18.59 CN18.60 CN18.61 CN18.62 CN18.63 CN18.64 CN18.65 CN18.66 CN18.67 CN18.68 CN18.69 CN18.70 CN18.71 CN18.72 CN18.73 CN18.74 CN18.75 CN18.76 CN18.77 CN18.78 CN18.79 CN18.80 CN18.81 CN18.82 CN18.83 CN18.84 CN18.85 CN18.86 CN18.87 CN18.88 CN18.89 CN18.90 CN18.91 CN18.92 CN18.93 CN18.94 CN18.95 CN18.96 CN18.97 CN18.98 CN18.99 CN18.100 CN19. CN19.1 CN19.2 CN19.3 CN19.4 CN19.5 CN19.6 CN19.7 CN19.8 CN19.9 CN19.10 CN19.11 CN19.12 CN19.13 CN19.14 CN19.15 CN19.16 CN19.17 CN19.18 CN19.19 CN19.20 CN19.21 CN19.22 CN19.23 CN19.24 CN19.25 CN19.26 CN19.27 CN19.28 CN19.29 CN19.30 CN19.31 CN19.32 CN19.33 CN19.34 CN19.35 CN19.36 CN19.37 CN19.38 CN19.39 CN19.40 CN19.41 CN19.42 CN19.43 CN19.44 CN19.45 CN19.46 CN19.47 CN19.48 CN19.49 CN19.50 CN19.51 CN19.52 CN19.53 CN19.54 CN19.55 CN19.56 CN19.57 CN19.58 CN19.59 CN19.60 CN20. CN20.1 CN20.2 CN20.3 CN20.4 CN20.5 CN20.6 CN20.7 CN20.8 CN20.9 CN20.10 CN20.11 CN20.12 CN20.13 CN20.14 CN20.15 CN20.16 CN20.17 CN20.18 CN20.19 CN20.20 CN20.21 CN20.22 CN20.23 CN20.24 CN20.25 CN20.26 CN20.27 CN20.28 CN20.29 CN20.30 CN20.31 CN20.32 CN20.33 CN20.34 CN20.35 CN20.36 CN20.37 CN20.38 CN20.39 CN20.40 CN20.41 CN20.42 CN20.43 CN20.44 CN20.45 CN20.46 CN20.47 CN20.48 CN20.49 CN20.50 CN20.51 CN20.52 CN20.53 CN20.54 CN20.55 CN20.56 CN20.57 CN20.58 CN20.59 CN20.60 CN21. CN21.1 CN21.2 CN21.3 CN21.4 CN21.5 CN21.6 CN21.7 CN21.8 CN21.9 CN21.10 CN21.11 CN21.12 CN21.13 CN21.14 CN21.15 CN21.16 CN21.17 CN21.18 CN21.19 CN21.20 CN21.21 CN21.22 CN21.23 CN21.24 CN21.25 CN21.26 CN21.27 CN21.28 CN21.29 CN21.30 CN21.31 CN21.32 CN21.33 CN21.34 CN21.35 CN21.36 CN21.37 CN21.38 CN21.39 CN21.40 CN21.41 CN21.42 CN21.43 CN21.44 CN21.45 CN21.46 CN21.47 CN21.48 CN21.49 CN21.50 CN21.51 CN21.52 CN21.53 CN21.54 CN21.55 CN21.56 CN21.57 CN21.58 CN21.59 CN21.60 CN21.61 CN21.62 CN21.63 CN21.64 CN21.65 CN21.66 CN21.67 CN21.68 CN21.69 CN21.70 CN21.71 CN21.72 CN21.73 CN21.74 CN21.75 CN21.76 CN21.77 CN21.78 CN21.79 CN21.80 CN22. CN22.1 CN22.2 CN22.3 CN22.4 CN22.5 CN22.6 CN22.7 CN22.8 CN22.9 CN22.10 CN22.11 CN22.12 CN22.13 CN22.14 CN22.15 CN22.16 CN22.17 CN22.18 CN22.19 CN22.20 CN22.21 CN22.22 CN22.23 CN22.24 CN22.25 CN22.26 CN22.27 CN22.28 CN22.29 CN22.30 CN22.31 CN22.32 CN22.33 CN22.34 CN22.35 CN22.36 CN22.37 CN22.38 CN22.39 CN22.40 CN22.41 CN22.42 CN22.43 CN22.44 CN22.45 CN22.46 CN22.47 CN22.48 CN22.49 CN22.50 CN22.51 CN22.52 CN22.53 CN22.54 CN22.55 CN22.56 CN22.57 CN22.58 CN22.59 CN22.60 CN22.61 CN22.62 CN22.63 CN22.64 CN22.65 CN22.66 CN22.67 CN22.68 CN22.69 CN22.70 CN22.71 CN22.72 CN22.73 CN22.74 CN22.75 CN22.76 CN22.77 CN22.78 CN22.79 CN22.80 CN23. CN23.1 CN23.2 CN23.3 CN23.4 CN23.5 CN23.6 CN23.7 CN23.8 CN23.9 CN23.10 CN23.11 CN23.12 CN23.13 CN23.14 CN23.15 CN23.16 CN23.17 CN23.18 CN23.19 CN23.20 CN23.21 CN23.22 CN23.23 CN23.24 CN23.25 CN23.26 CN23.27 CN23.28 CN23.29 CN23.30 CN23.31 CN23.32 CN23.33 CN23.34 CN23.35 CN23.36 CN23.37 CN23.38 CN23.39 CN23.40 CN24. CN24.1 CN24.2 CN24.3 CN24.4 CN24.5 CN24.6 CN24.7 CN24.8 CN24.9 CN24.10 CN24.11 CN24.12 CN24.13 CN24.14 CN24.15 CN24.16 CN24.17 CN24.18 CN24.19 CN24.20 CN24.21 CN24.22 CN24.23 CN24.24 CN24.25 CN24.26 CN24.27 CN24.28 CN24.29 CN24.30 CN24.31 CN24.32 CN24.33 CN24.34 CN24.35 CN24.36 CN24.37 CN24.38 CN24.39 CN24.40 H1.1 H2.1 H3.1 H4.1 H5.1 H6.1 H7.1 H8.1 H9.1 U1.A1 U1.A2 U1.A3 U1.A4 U1.A5 U1.A6 U1.A7 U1.A8 U1.A9 U1.A10 U1.A11 U1.A12 U1.A14 U1.A15 U1.A16 U1.A17 U1.B1 U1.B2 U1.B3 U1.B4 U1.B5 U1.B6 U1.B7 U1.B8 U1.B9 U1.B10 U1.B11 U1.B12 U1.B13 U1.B14 U1.B15 U1.B16 U1.B17 U1.C2 U1.C3 U1.C4 U1.C5 U1.C6 U1.C7 U1.C8 U1.C9 U1.C10 U1.C11 U1.C13 U1.C14 U1.C15 U1.C16 U1.C17 U1.D1 U1.D2 U1.D3 U1.D4 U1.D5 U1.D6 U1.D7 U1.D8 U1.D9 U1.D10 U1.D11 U1.D12 U1.D13 U1.D14 U1.D15 U1.D16 U1.D17 U1.E1 U1.E2 U1.E3 U1.E4 U1.E5 U1.E6 U1.E9 U1.E10 U1.E11 U1.E12 U1.E14 U1.E15 U1.E16 U1.E17 U1.F1 U1.F2 U1.F3 U1.F4 U1.F5 U1.F13 U1.F15 U1.F16 U1.F17 U1.G1 U1.G2 U1.G3 U1.G4 U1.G5 U1.G7 U1.G8 U1.G9 U1.G10 U1.G11 U1.G13 U1.G14 U1.G15 U1.G16 U1.G17 U1.H1 U1.H2 U1.H3 U1.H4 U1.H5 U1.H7 U1.H8 U1.H9 U1.H10 U1.H11 U1.H13 U1.H14 U1.H15 U1.H16 U1.H17 U1.J3 U1.J4 U1.J5 U1.J7 U1.J8 U1.J9 U1.J10 U1.J11 U1.J13 U1.J14 U1.J15 U1.J16 U1.J17 U1.K2 U1.K3 U1.K4 U1.K5 U1.K7 U1.K8 U1.K9 U1.K10 U1.K11 U1.K13 U1.K14 U1.K15 U1.K16 U1.K17 U1.L1 U1.L3 U1.L4 U1.L5 U1.L7 U1.L8 U1.L9 U1.L10 U1.L11 U1.L13 U1.L14 U1.L15 U1.L16 U1.L17 U1.M1 U1.M2 U1.M4 U1.M5 U1.M13 U1.M14 U1.M15 U1.M16 U1.M17 U1.N1 U1.N2 U1.N3 U1.N4 U1.N5 U1.N6 U1.N7 U1.N8 U1.N9 U1.N10 U1.N11 U1.N12 U1.N13 U1.N14 U1.N15 U1.N16 U1.N17 U1.P1 U1.P2 U1.P3 U1.P4 U1.P5 U1.P6 U1.P7 U1.P8 U1.P9 U1.P10 U1.P11 U1.P12 U1.P13 U1.P14 U1.P15 U1.P16 U1.P17 U1.R2 U1.R3 U1.R4 U1.R5 U1.R6 U1.R7 U1.R8 U1.R9 U1.R10 U1.R11 U1.R12 U1.R13 U1.R14 U1.R15 U1.R16 U1.R17 U1.T1 U1.T2 U1.T3 U1.T5 U1.T6 U1.T7 U1.T8 U1.T9 U1.T10 U1.T11 U1.T12 U1.T13 U1.T14 U1.T15 U1.T16 U1.T17 U1.U1 U1.U2 U1.U3 U1.U4 U1.U5 U1.U6 U1.U7 U1.U8 U1.U9 U1.U10 U1.U11 U1.U12 U1.U13 U1.U14 U1.U15 U1.U16 U1.U17 U2.5

## Keep-outs
Keep-Out Layer:
  the board outline again, w0.254

## Silkscreen, mask and mechanical layers (free items; w line width, h text height)
Top Overlay:
  text "New Component Footprint Test - 2024Year_1st" at 3.5,13.958 h4

## Text inside footprints (layer, text, board x,y; h text height)
U1: Top Overlay "1" at 81.944,58.755 h0.4; Top Overlay "A" at 80.8,57.672 h0.4; Top Overlay "U" at 80.827,44.875 h0.4; Top Overlay "T" at 80.827,45.672 h0.4; Top Overlay "R" at 80.813,46.472 h0.4; Top Overlay "P" at 80.83,47.272 h0.4; Top Overlay "N" at 80.827,48.072 h0.4; Top Overlay "M" at 80.805,48.872 h0.4; Top Overlay "L" at 80.838,49.673 h0.4; Top Overlay "K" at 80.813,50.472 h0.4; Top Overlay "J" at 80.847,51.275 h0.4; Top Overlay "H" at 80.826,52.072 h0.4; Top Overlay "G" at 80.809,52.873 h0.4; Top Overlay "F" at 80.841,53.672 h0.4; Top Overlay "E" at 80.831,54.472 h0.4; Top Overlay "D" at 80.821,55.272 h0.4; Top Overlay "C" at 80.817,56.072 h0.4; Top Overlay "B" at 80.821,56.872 h0.4; Top Overlay "2" at 82.714,58.755 h0.4; Top Overlay "3" at 83.515,58.757 h0.4; Top Overlay "4" at 84.308,58.755 h0.4; Top Overlay "5" at 85.114,58.759 h0.4; Top Overlay "6" at 85.915,58.757 h0.4; Top Overlay "7" at 86.716,58.757 h0.4; Top Overlay "8" at 87.516,58.757 h0.4; Top Overlay "9" at 88.315,58.757 h0.4; Top Overlay "10" at 89.024,58.757 h0.4; Top Overlay "11" at 89.845,58.755 h0.4; Top Overlay "12" at 90.625,58.755 h0.4; Top Overlay "13" at 91.423,58.757 h0.4; Top Overlay "14" at 92.22,58.755 h0.4; Top Overlay "15" at 93.021,58.757 h0.4; Top Overlay "16" at 93.822,58.757 h0.4; Top Overlay "17" at 94.624,58.755 h0.4